# Altium PCB PCB1.PcbDoc (continued)
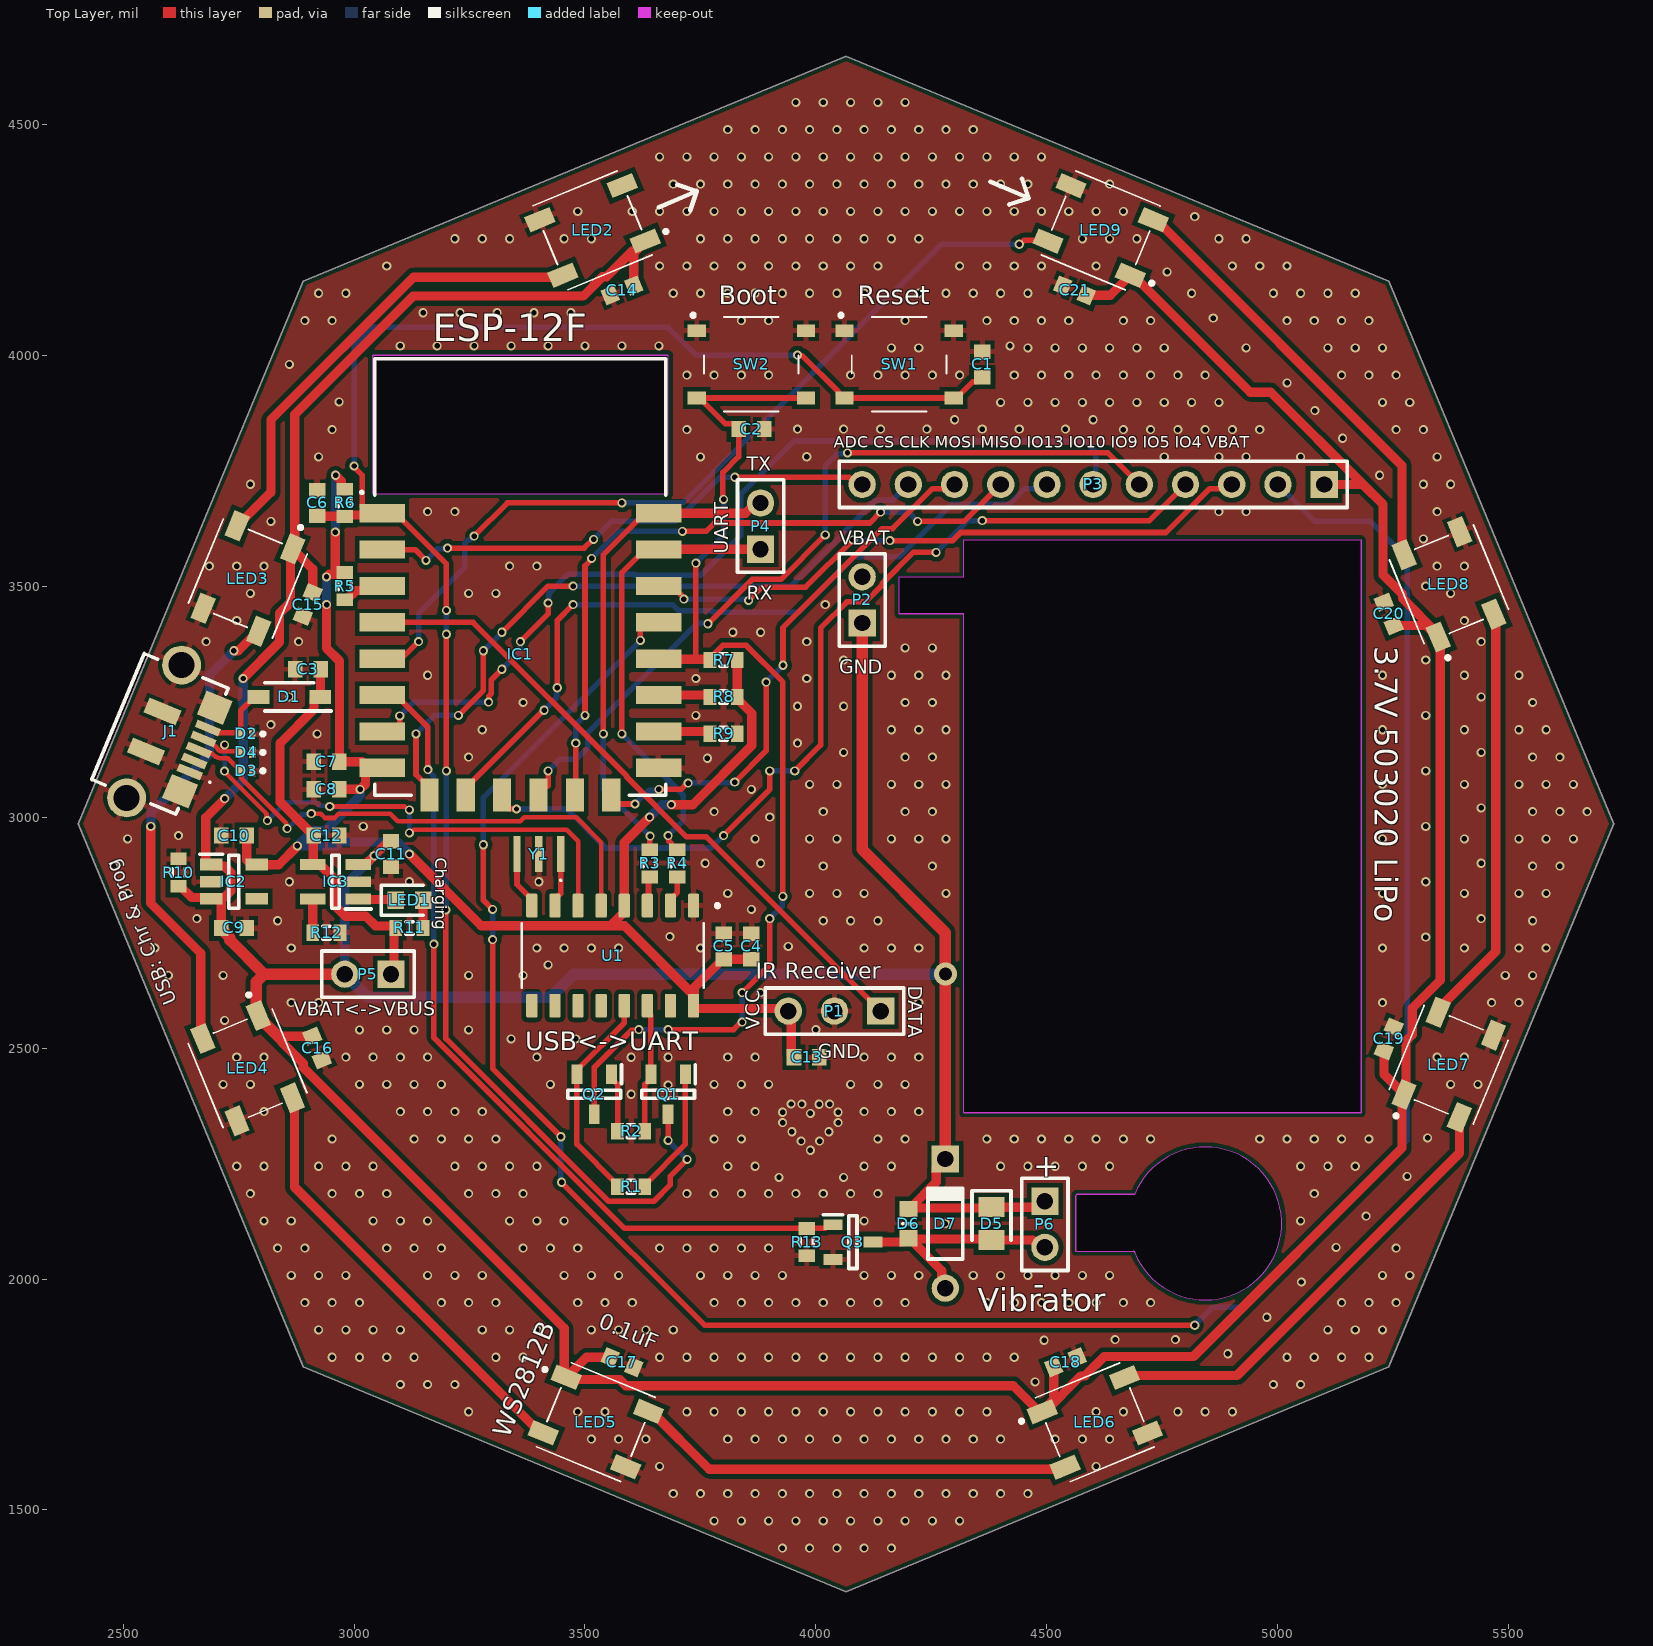
[diagram p0: Top Layer view]
## Nets (pads, with @x,y where several pads share a name; then routed paths per layer and width w, separated by ;. In a path a pad name is that pad's centre, name@x,y a point inside that pad or via, vN(x,y) a via of type N, cw(c..) or ccw(c..) an arc to the next point about the centre after c; other vN are vias at no path point)
3V3: C4.1 C5.1 C7.1 C8.1 C10.1 C13.1 IC1.8 IC2.5 P1.3 R5.1 R6.1 R7.1 R8.1 U1.4 U1.16 | length 3529.6
  Top Layer w20: C10.1 2767.56,2906.85 2777.4,2897.01 IC2.5 2837.01,2897.01 v1(2877.45,2937.45) ; v1(2940.39,3520) 2946.14,3525.75 2961.18,3525.75 ; v1(2940.56,3459.77) 2940.56,3365.74 2968.43,3337.88 2968.43,3120.87 C7.1 3017.87,3120 3031.26,3106.61 IC1.8@3034.71,3106.61 ; v1(2959.59,3617.03) 2959.59,3540.41 2960,3540 2960,3526.93 2961.18,3525.75 ; v1(2960,3740) 2972.28,3727.72 2972.28,3713.31 2976.22,3713.31 R6.1 ; C8.1 v1(3013.31,3060) 3025.02,3071.72 3025.02,3096.93 IC1.8@3034.71,3106.61 ; R5.1 2976.22,3525.75 2961.18,3525.75 ; IC1.8 IC1.8@3034.71,3106.61 ; v1(3120,2920) 3275.39,2764.61 3554.92,2764.61 ; v1(3640,3000) 3585,2945 U1.4 3585,2794.68 3554.92,2764.61 ; v1(3686.93,3026.93) 3733.23,3026.93 3861.18,3154.88 3861.18,3224.41 3829.53,3256.06 R8.1 R7.1 ; U1.16 3735,2588.07 3737.2,2585.87 3934.13,2585.87 P1.3 3946.69,2573.31 3946.69,2485.75 C13.1 ; C4.1 C5.1 3798.03,2692.44 3737.2,2631.61 3737.2,2612.78 3585.37,2764.61 3554.92,2764.61
  Bottom Layer w20: v1(2940.39,3520) 2940.39,3459.94 v1(2940.56,3459.77) ; v1(2959.59,3617.03) 2960,3617.44 v1(2960,3740) ; v1(3013.31,3060) 3013.31,3046.54 2937.03,2970.26 2910.26,2970.26 v1(2877.45,2937.45) 2962.49,2937.45 2971.1,2946.06 3093.94,2946.06 v1(3120,2920) ; v1(3640,3000) 3666.93,3026.93 v1(3686.93,3026.93)
ADC: IC1.2 P3.11 | length 1129.8
  Top Layer w12: IC1.2 3132.51,3579.06 v1(3155.78,3555.78) ; v1(3202.33,3582.33) 3498.3,3582.33 3517.16,3601.19 v1(3518.81,3601.19) ; v1(3824.45,3735.55) 4071.72,3735.55 4087.27,3720 P3.11
  Bottom Layer w12: v1(3155.78,3555.78) 3180.86,3580.86 3200.86,3580.86 v1(3202.33,3582.33) ; v1(3518.81,3601.19) 3557.61,3640 3695.95,3640 3791.49,3735.55 v1(3824.45,3735.55)
CS: IC1.9 P3.10 | length 1485.7
  Top Layer w12: v1(3134.16,3180) 3134.16,3092.13 3149.3,3076.99 3149.46,3076.99 3163.15,3063.31 IC1.9 ; v1(3225.84,3220) 3280,3274.16 v1(3280,3360) ; v1(3320,3400) 3420,3500 v1(3474.16,3500)
  Bottom Layer w12: v1(3134.16,3180) 3174.16,3220 v1(3225.84,3220) ; v1(3280,3360) v1(3320,3400) ; v1(3474.16,3500) 3945.79,3500 4054.16,3608.37 4054.16,3610.7 4129.3,3685.84 4165.84,3685.84 P3.10
DTR: Q2.2 R1.1 U1.13 | length 470.5
  Top Layer w12: R1.1 3570.47,2203.94 3482.6,2291.81 Q2.2 3482.6,2452.17 3585,2554.57 U1.13
EN: IC1.3 R5.2 | length 93.1
  Top Layer w20: R5.2 2983.94,3470.47 3004.09,3490.63 3051.1,3490.63 IC1.3
espRX: IC1.21 P4.1 R4.2 | length 1000
  Top Layer w12: v1(3580,3180) 3580,3529.37 3630.16,3579.53 IC1.21@3659.68,3579.53 ; v1(3680,2960) 3681.47,2958.53 3681.47,2948.06 3688.28,2941.24 3688.28,2937.31 3696.06,2929.53 R4.2
  Top Layer w20: IC1.21@3659.68,3579.53 3879.53,3579.53 P4.1
  Bottom Layer w12: v1(3580,3180) 3712.77,3047.23 3712.77,2992.77 v1(3680,2960)
espTX: IC1.22 P4.2 R3.2 | length 1067.3
  Top Layer w12: v1(3540,3180) 3540,3568.11 3629.69,3657.8 IC1.22 ; R3.2 3640.55,2930.08 3640.55,2958.35 v1(3641.1,2958.9)
  Top Layer w20: IC1.22 3847.23,3657.8 3869.43,3680 P4.2
  Bottom Layer w12: v1(3540,3180) 3540,3060 v1(3641.1,2958.9)
GND: C1.2 C2.2 C3.1 C4.2 C5.2 C6.2 C7.2 C8.2 C9.2 C10.2 C11.2 C12.2 C13.2 C14.1 C15.1 C16.1 C17.1 C18.1 C19.1 C20.1 C21.1 D2.1 D3.1 D4.1 IC1.15 IC2.2 IC3.2 J1.1 J1.MH1 J1.MH2 J1.MP1 J1.MP2 J1.MP3 J1.MP4 LED2.3 LED3.3 LED4.3 LED5.3 LED6.3 LED7.3 LED8.3 LED9.3 P1.2 P2.2 Q3.2 R9.2 R10.1 R12.1 R13.1 SW1.1 SW1.2 SW2.1 SW2.2 U1.1 Y1.2
  other v1: 3927.16,1417.32 3986.22,1417.32 4045.27,1417.32 4104.33,1417.32 4163.38,1417.32 3779.53,1476.38 3838.58,1476.38 3897.64,1476.38 3956.69,1476.38 4015.75,1476.38 4074.8,1476.38 4133.86,1476.38 4192.91,1476.38 4251.97,1476.38 4311.02,1476.38 3690.94,1535.43 3750,1535.43 3809.05,1535.43 3868.11,1535.43 3927.16,1535.43 3986.22,1535.43 4045.27,1535.43 4104.33,1535.43 4163.38,1535.43 4222.44,1535.43 4281.49,1535.43 4340.55,1535.43 4399.6,1535.43 4458.66,1535.43 3661.42,1594.49 4606.3,1594.49 3513.78,1653.54 3572.83,1653.54 3631.89,1653.54 3809.05,1653.54 3868.11,1653.54 3927.16,1653.54 3986.22,1653.54 4045.27,1653.54 4104.33,1653.54 4163.38,1653.54 4222.44,1653.54 4281.49,1653.54 4340.55,1653.54 4399.6,1653.54 4517.72,1653.54 4576.77,1653.54 4635.83,1653.54 3248.03,1712.6 3484.25,1712.6 3543.31,1712.6 3720.47,1712.6 3779.53,1712.6 3838.58,1712.6 3897.64,1712.6 3956.69,1712.6 4015.75,1712.6 4074.8,1712.6 4133.86,1712.6 4192.91,1712.6 4251.97,1712.6 4311.02,1712.6 4370.08,1712.6 4606.3,1712.6 4665.35,1712.6 4783.46,1712.6 4842.52,1712.6 4901.57,1712.6 3100.39,1771.65 3159.45,1771.65 3218.5,1771.65 4990.16,1771.65 5049.21,1771.65 4474.45,1777.31 2952.76,1830.71 3011.81,1830.71 3070.87,1830.71 3129.92,1830.71 3307.09,1830.71 3366.14,1830.71 3661.42,1830.71 3720.47,1830.71 3779.53,1830.71 3838.58,1830.71 3897.64,1830.71 3956.69,1830.71 4015.75,1830.71 4074.8,1830.71 4133.86,1830.71 4192.91,1830.71 4251.97,1830.71 4311.02,1830.71 4370.08,1830.71 4429.13,1830.71 5019.68,1830.71 5078.74,1830.71 5137.79,1830.71 5196.85,1830.71 4891.61,1838.29 4493.85,1867.4 4647.69,1868.78 4777.97,1868.78 2923.23,1889.76 2982.28,1889.76 3041.34,1889.76 3100.39,1889.76 3277.56,1889.76 3336.61,1889.76 3395.67,1889.76 3513.78,1889.76 3572.83,1889.76 3631.89,1889.76 3690.94,1889.76 5108.27,1889.76 5167.32,1889.76 5226.38,1889.76 4976.15,1917.29 2893.7,1948.82 2952.76,1948.82 3011.81,1948.82 3188.98,1948.82 3248.03,1948.82 3307.09,1948.82 3484.25,1948.82 3543.31,1948.82 3602.36,1948.82 3779.53,1948.82 3838.58,1948.82 3897.64,1948.82 3956.69,1948.82 4015.75,1948.82 4074.8,1948.82 4133.86,1948.82 4192.91,1948.82 4370.08,1948.82 4429.13,1948.82 4488.19,1948.82 4547.24,1948.82 4606.3,1948.82 4665.35,1948.82 4724.41,1948.82 5137.79,1948.82 5196.85,1948.82 5255.9,1948.82 5050.99,1993.52 2864.17,2007.87 2923.23,2007.87 2982.28,2007.87 3159.45,2007.87 3218.5,2007.87 3277.56,2007.87 3454.72,2007.87 3513.78,2007.87 3572.83,2007.87 3750,2007.87 3809.05,2007.87 3868.11,2007.87 3927.16,2007.87 4104.33,2007.87 4163.38,2007.87 4222.44,2007.87 4340.55,2007.87 4399.6,2007.87 4458.66,2007.87 4517.72,2007.87 4576.77,2007.87 4635.83,2007.87 5226.38,2007.87 5285.43,2007.87 2834.64,2066.93 2893.7,2066.93 3070.87,2066.93 3129.92,2066.93 3188.98,2066.93 3366.14,2066.93 3425.2,2066.93 3484.25,2066.93 3661.42,2066.93 3720.47,2066.93 3779.53,2066.93 3838.58,2066.93 3897.64,2066.93 5255.9,2066.93 5125.83,2068.36 4280,2120 2805.12,2125.98 2864.17,2125.98 3041.34,2125.98 3100.39,2125.98 3159.45,2125.98 3336.61,2125.98 3395.67,2125.98 3454.72,2125.98 4104.33,2125.98 5049.21,2125.98 5190.97,2136.27 2775.59,2185.04 2952.76,2185.04 3011.81,2185.04 3070.87,2185.04 3248.03,2185.04 3307.09,2185.04 3366.14,2185.04 3720.47,2185.04 3779.53,2185.04 3838.58,2185.04 3897.64,2185.04 3956.69,2185.04 4015.75,2185.04 4074.8,2185.04 4133.86,2185.04 5078.74,2185.04 3920,2220 4060,2220 5279.67,2222.19 2746.06,2244.09 2805.12,2244.09 2923.23,2244.09 2982.28,2244.09 3041.34,2244.09 3218.5,2244.09 3277.56,2244.09 3336.61,2244.09 3395.67,2244.09 3809.05,2244.09 3868.11,2244.09 4104.33,2244.09 4163.38,2244.09 4399.6,2244.09 4458.66,2244.09 4517.72,2244.09 4576.77,2244.09 4635.83,2244.09 5049.21,2244.09 5108.27,2244.09 5167.32,2244.09 3987.86,2278.71 3967.86,2298.71 4007.86,2298.71 2952.76,2303.15 3129.92,2303.15 3188.98,2303.15 3248.03,2303.15 3307.09,2303.15 3779.53,2303.15 3838.58,2303.15 4133.86,2303.15 4192.91,2303.15 4370.08,2303.15 4429.13,2303.15 4488.19,2303.15 4547.24,2303.15 4606.3,2303.15 4665.35,2303.15 4724.41,2303.15 4960.63,2303.15 5019.68,2303.15 5078.74,2303.15 5137.79,2303.15 5196.85,2303.15 5324.02,2305.35 3947.86,2318.71 4027.86,2318.71 3927.86,2338.71 4047.86,2338.71 3987.86,2358.71 3927.63,2360.95 4047.97,2360.95 2805.12,2362.2 3100.39,2362.2 3159.45,2362.2 3218.5,2362.2 3277.56,2362.2 3809.05,2362.2 3868.11,2362.2 4104.33,2362.2 4163.38,2362.2 4222.44,2362.2 4006.83,2378.42 3945.99,2378.87 3969.66,2378.65 4029.61,2378.65 3600,2400 3680,2420 2716.53,2421.26 2775.59,2421.26 3011.81,2421.26 3070.87,2421.26 3129.92,2421.26 3188.98,2421.26 3425.2,2421.26 3779.53,2421.26 3838.58,2421.26 3897.64,2421.26 4074.8,2421.26 4133.86,2421.26 4192.91,2421.26 5374.01,2421.26 5433.07,2421.26 2746.06,2480.31 2805.12,2480.31 2982.28,2480.31 3041.34,2480.31 3100.39,2480.31 3159.45,2480.31 3395.67,2480.31 3600,2480 3680,2480 3809.05,2480.31 3868.11,2480.31 4104.33,2480.31 4163.38,2480.31 4222.44,2480.31 5344.49,2480.31 5403.54,2480.31 3340,2520 3480,2520 3011.81,2539.37 3070.87,2539.37 3129.92,2539.37 3248.03,2539.37 4000,2540 2720,2560 2864.17,2598.42 2923.23,2598.42 4222.44,2598.42 5226.38,2598.42 5462.6,2598.42 5521.65,2598.42 3880,2620 2598.42,2657.48 2716.53,2657.48 3248.03,2657.48 3366.14,2657.48 5492.12,2657.48 5551.18,2657.48 3420,2680 2568.9,2716.53 2864.17,2716.53 3395.67,2716.53 3454.72,2716.53 3513.78,2716.53 3572.83,2716.53 3750,2716.53 4104.33,2716.53 4163.38,2716.53 4222.44,2716.53 5226.38,2716.53 5403.54,2716.53 5521.65,2716.53 5580.71,2716.53 3940,2720 5320,2740 3683.59,2741.23 2834.64,2775.59 4015.75,2775.59 4074.8,2775.59 4133.86,2775.59 5551.18,2775.59 2660,2780 5440,2780 3860,2800 2509.84,2834.64 3809.05,2834.64 3986.22,2834.64 4045.27,2834.64 4104.33,2834.64 4281.49,2834.64 5226.38,2834.64 5403.54,2834.64 5521.65,2834.64 5580.71,2834.64 2860,2860 3120,2860 3400,2860 5320,2860 2480.31,2893.7 4015.75,2893.7 4251.97,2893.7 5551.18,2893.7 5610.23,2893.7 3760,2900 3880,2900 5440,2900 2509.84,2952.76 3868.11,2952.76 3986.22,2952.76 4045.27,2952.76 4163.38,2952.76 4222.44,2952.76 4281.49,2952.76 5226.38,2952.76 5403.54,2952.76 5521.65,2952.76 5580.71,2952.76 5639.76,2952.76 2620,2960 3020,2980 5320,2980 3900,3000 3779.53,3011.81 4015.75,3011.81 4192.91,3011.81 4251.97,3011.81 5551.18,3011.81 5610.23,3011.81 5669.29,3011.81 5440,3020 3860,3060 3986.22,3070.87 4045.27,3070.87 4163.38,3070.87 4222.44,3070.87 4281.49,3070.87 5226.38,3070.87 5403.54,3070.87 5521.65,3070.87 5580.71,3070.87 5639.76,3070.87 5320,3100 3765,3127.26 3248.03,3129.92 4192.91,3129.92 4251.97,3129.92 5551.18,3129.92 5610.23,3129.92 4060,3140 5440,3140 3960,3160 2920,3180 3277.56,3188.98 4163.38,3188.98 4222.44,3188.98 4281.49,3188.98 5226.38,3188.98 5403.54,3188.98 5521.65,3188.98 5580.71,3188.98 2820,3200 3740,3220 5320,3220 3960,3240 4060,3240 3366.14,3248.03 4192.91,3248.03 4251.97,3248.03 5551.18,3248.03 2860,3260 5440,3260 3740,3300 3980,3300 3159.45,3307.09 4163.38,3307.09 4222.44,3307.09 4281.49,3307.09 5226.38,3307.09 5403.54,3307.09 5521.65,3307.09 4060,3340 5320,3340 4192.91,3366.14 4251.97,3366.14 2680,3380 2880,3380 3980,3380 5440,3380 3820,3400 3880,3400 2746.06,3425.2 5403.54,3425.2 4020,3460 2775.59,3484.25 3248.03,3484.25 3307.09,3484.25 5374.01,3484.25 5320,3500 2687.01,3543.31 2746.06,3543.31 2805.12,3543.31 3336.61,3543.31 3395.67,3543.31 5344.49,3543.31 5403.54,3543.31 5314.96,3602.36 2820,3640 3159.45,3661.42 3218.5,3661.42 4872.05,3661.42 4931.1,3661.42 5344.49,3661.42 2775.59,3720.47 5314.96,3720.47 5374.01,3720.47 5220,3740 2923.23,3779.53 3750,3779.53 3980,3780 4753.94,3779.53 4872.05,3779.53 4931.1,3779.53 5049.21,3779.53 5344.49,3779.53 5140,3820 2952.76,3838.58 3720.47,3838.58 4665.35,3838.58 4724.41,3838.58 4783.46,3838.58 4842.52,3838.58 4901.57,3838.58 4960.63,3838.58 5255.9,3838.58 5314.96,3838.58 3960,3840 4060,3840 4140,3840 4240,3840 4360,3840 4440,3840 4540,3840 4300,3860 4600,3860 5080,3880 4399.6,3897.64 4458.66,3897.64 4517.72,3897.64 4576.77,3897.64 4635.83,3897.64 4694.88,3897.64 4753.94,3897.64 4812.99,3897.64 4872.05,3897.64 5226.38,3897.64 5285.43,3897.64 2967.77,3898.9 5020,3940 3720.47,3956.69 3779.53,3956.69 3838.58,3956.69 3897.64,3956.69 4074.8,3956.69 4133.86,3956.69 4192.91,3956.69 4251.97,3956.69 4311.02,3956.69 4429.13,3956.69 4488.19,3956.69 4547.24,3956.69 4606.3,3956.69 4665.35,3956.69 4724.41,3956.69 4783.46,3956.69 4842.52,3956.69 5137.79,3956.69 5196.85,3956.69 5255.9,3956.69 2860,3980 4163.38,4015.75 4222.44,4015.75 4458.66,4015.75 4517.72,4015.75 4576.77,4015.75 4635.83,4015.75 4694.88,4015.75 4753.94,4015.75 4931.1,4015.75 5108.27,4015.75 5167.32,4015.75 5226.38,4015.75 3100,4020 3180,4020 3260,4020 3340,4020 3420,4020 3500,4020 3580,4020 3660,4020 4420,4020 2893.7,4074.8 2952.76,4074.8 3838.58,4074.8 3897.64,4074.8 4192.91,4074.8 4370.08,4074.8 4429.13,4074.8 4488.19,4074.8 4547.24,4074.8 4665.35,4074.8 4724.41,4074.8 5019.68,4074.8 5078.74,4074.8 5137.79,4074.8 5196.85,4074.8 4860,4080 3149.64,4091.76 3229.64,4091.76 3309.64,4091.76 3389.64,4091.76 3469.64,4091.76 2923.23,4133.86 2982.28,4133.86 3690.94,4133.86 3750,4133.86 3809.05,4133.86 3868.11,4133.86 3927.16,4133.86 3986.22,4133.86 4045.27,4133.86 4104.33,4133.86 4222.44,4133.86 4281.49,4133.86 4340.55,4133.86 4399.6,4133.86 4458.66,4133.86 4812.99,4133.86 4990.16,4133.86 5049.21,4133.86 5108.27,4133.86 5167.32,4133.86 4760,4180 3070.87,4192.91 3661.42,4192.91 3720.47,4192.91 3779.53,4192.91 3838.58,4192.91 3897.64,4192.91 3956.69,4192.91 4015.75,4192.91 4074.8,4192.91 4133.86,4192.91 4311.02,4192.91 4370.08,4192.91 4429.13,4192.91 4488.19,4192.91 4606.3,4192.91 4901.57,4192.91 4960.63,4192.91 5019.68,4192.91 3218.5,4251.97 3277.56,4251.97 3336.61,4251.97 3454.72,4251.97 3513.78,4251.97 3750,4251.97 3809.05,4251.97 3868.11,4251.97 3927.16,4251.97 3986.22,4251.97 4045.27,4251.97 4104.33,4251.97 4163.38,4251.97 4222.44,4251.97 4576.77,4251.97 4635.83,4251.97 4694.88,4251.97 4872.05,4251.97 4931.1,4251.97 4820,4300 3484.25,4311.02 3602.36,4311.02 3661.42,4311.02 3720.47,4311.02 3779.53,4311.02 3838.58,4311.02 3897.64,4311.02 3956.69,4311.02 4015.75,4311.02 4074.8,4311.02 4133.86,4311.02 4192.91,4311.02 4251.97,4311.02 4311.02,4311.02 4370.08,4311.02 4429.13,4311.02 4488.19,4311.02 4547.24,4311.02 4606.3,4311.02 4665.35,4311.02 3690.94,4370.08 3750,4370.08 3809.05,4370.08 3868.11,4370.08 3927.16,4370.08 3986.22,4370.08 4045.27,4370.08 4104.33,4370.08 4163.38,4370.08 4222.44,4370.08 4281.49,4370.08 4340.55,4370.08 4399.6,4370.08 4458.66,4370.08 4635.83,4370.08 3661.42,4429.13 3720.47,4429.13 3779.53,4429.13 3838.58,4429.13 3897.64,4429.13 3956.69,4429.13 4015.75,4429.13 4074.8,4429.13 4133.86,4429.13 4192.91,4429.13 4251.97,4429.13 4311.02,4429.13 4370.08,4429.13 4429.13,4429.13 4488.19,4429.13 3809.05,4488.19 3868.11,4488.19 3927.16,4488.19 3986.22,4488.19 4045.27,4488.19 4104.33,4488.19 4163.38,4488.19 4222.44,4488.19 4281.49,4488.19 4340.55,4488.19 3956.69,4547.24 4015.75,4547.24 4074.8,4547.24 4133.86,4547.24 4192.91,4547.24
GPIO0: C2.1 IC1.18 Q2.3 R7.2 SW2.3 SW2.4 | length 2441.5
  Top Layer w12: Q2.3 3520,2458.01 3600.52,2538.53 3615.29,2538.53 v1(3616.76,2540) ; v1(3680,2540) 3821.9,2540 3837.92,2556.02 v1(3840,2556.02) ; 3740,3341.42 v1(3740,3549.68) ; SW2.3 SW2.3@3747.8,3907.17 ; R7.2 3770.47,3343.94 3798.13,3371.59 3849.05,3371.59 3928.27,3292.37 v1(3928.27,2828.27) ; v1(3800,3687.64) 3798.61,3689.03 3798.61,3746.25 3832.44,3780.08 3832.44,3841.97 3822.69,3851.72 3803.24,3851.72 SW2.3@3747.8,3907.17 ; v1(3840,2620) 3840.64,2620 3900,2679.36 v1(3900,2780) ; SW2.4 SW2.3@3747.8,3907.17
  Top Layer w20: IC1.18 3660.63,3341.42 3740,3341.42 3769.06,3341.42 R7.2
  Bottom Layer w12: v1(3616.76,2540) v1(3680,2540) ; v1(3740,3549.68) 3800,3609.68 v1(3800,3687.64) ; v1(3840,2556.02) v1(3840,2620) ; v1(3900,2780) 3926.8,2806.8 3926.8,2826.8 v1(3928.27,2828.27)
GPIO2: IC1.17 R8.2 | length 113.1
  Top Layer w20: IC1.17 3766.69,3264.09 3770.47,3260.31 R8.2
GPIO4: IC1.19 P3.2 | length 5184.7
  Top Layer w12: v1(3280,2940) 3280,2820 v1(3300,2800) ; v1(3300,2734.76) 3300,2455.9 v1(3447.95,2307.95) ; v1(3449.38,2209.38) 3758.77,1900 v1(4820,1900) ; v1(3620,3382.36) 3620,3407.89 3633.69,3421.57 IC1.19
  Bottom Layer w12: v1(3280,2940) 3280,3042.36 v1(3620,3382.36) ; v1(3300,2734.76) v1(3300,2800) ; v1(3447.95,2307.95) 3447.95,2210.82 v1(3449.38,2209.38) ; v1(4820,1900) 4858.53,1938.53 4917.86,1938.53 5280,2300.68 5280,3560 5200,3640 5080,3640 P3.2
GPIO5: IC1.20 P3.3 | length 1360.7
  Top Layer w12: IC1.20 3688.74,3500.32 3712.69,3476.37 3712.69,3473.47 v1(3714.16,3472) ; v1(3854.37,3468.84) 3883.12,3497.59 3977.59,3497.59 v1(4080,3600) ; v1(4160,3598.64) 4296.02,3598.64 4313.37,3616 4757.38,3616 4852.47,3711.09 4891.09,3711.09 P3.3
  Bottom Layer w12: v1(3714.16,3472) 3851.21,3472 v1(3854.37,3468.84) ; v1(4080,3600) 4080.68,3599.32 4159.32,3599.32 v1(4160,3598.64)
GPIO9: IC1.11 P3.4 | length 2035.8
  Top Layer w12: IC1.11 3320.63,3031.81 3334.32,3018.13 3351.01,3018.13 v1(3351.69,3017.45) ; v1(3800,2960) 3900,3060 v1(3900,3100) ; v1(3954.12,3100) 4010.16,3156.04 4010.16,3408.83 4067.05,3465.73 4107.11,3465.73 4143.4,3502.02 4143.4,3506.03 4210.17,3572.8 v1(4260,3572.8) ; v1(4360,3641.84) 4721.84,3641.84 P3.4
  Bottom Layer w12: v1(3351.69,3017.45) 3460.59,3017.45 3544.98,2933.06 3773.06,2933.06 v1(3800,2960) ; v1(3900,3100) v1(3954.12,3100) ; v1(4260,3572.8) 4329.04,3641.84 v1(4360,3641.84)
GPIO10: IC1.12 P3.5 | length 1762.5
  Top Layer w12: IC1.12 3420,3068.19 v1(3420,3100) ; v1(3765.84,3418.42) 3862.01,3514.59 3923.83,3514.59 v1(4020,3610.76) ; v1(4068.27,3788.27) 4631.73,3788.27 P3.5
  Bottom Layer w12: v1(3420,3100) 3445.38,3125.38 3481.93,3125.38 3505.84,3149.3 3505.84,3182.39 3743.45,3420 3760,3420 3760.11,3419.89 3764.37,3419.89 v1(3765.84,3418.42) ; v1(4020,3610.76) 4020,3760 4046.8,3786.8 4066.8,3786.8 v1(4068.27,3788.27)
GPIO12: IC1.6 Q3.1 R13.2 | length 1843.5
  Top Layer w12: IC1.6 3090.31,3264.09 3160,3194.41 v1(3160,3102.83) ; v1(3173.06,2725) 3173.06,2522.26 3585.79,2109.53 R13.2 4019.96,2109.53 4027.83,2117.4 Q3.1
  Bottom Layer w12: v1(3160,3102.83) 3160,3100.76 3173.06,3087.7 v1(3173.06,2725)
GPIO13: IC1.7 P3.6 | length 2014.7
  Top Layer w12: IC1.7 3085.25,3185.35 3098.93,3199.04 v1(3098.93,3218.93) ; v1(3291.19,3248.81) 3291.19,3261.31 3297,3267.12 3297,3297 v1(3320,3320) ; v1(3360,3380) 3420,3440 v1(3420,3463.45)
  Bottom Layer w12: v1(3098.93,3218.93) 3128.81,3248.81 v1(3291.19,3248.81) ; v1(3320,3320) 3360,3360 v1(3360,3380) ; v1(3420,3463.45) 3421.47,3464.92 3421.47,3483.86 3463.45,3525.84 3606.08,3525.84 3608.08,3523.84 3750.7,3523.84 3836.6,3609.74 3836.6,3697.98 3952.74,3814.12 4582.43,3814.12 4605.84,3790.7 4605.84,3725.84 P3.6
GPIO15: IC1.16 R9.1 | length 114.4
  Top Layer w20: IC1.16 3766.69,3185.35 3770.47,3181.57 R9.1
IR_RCV_sig: IC1.4 P1.1 | length 1428.9
  Top Layer w12: IC1.4 3257.57,3421.57 3590.41,3088.74 3590.41,3086.9 3720.13,2957.18 3762.82,2957.18 P1.1
LEDdata: IC1.5 LED9.4 | length 1883.4
  Top Layer w12: IC1.5 3102.83,3342.83 v1(3140,3380) ; v1(3260,3608.17) 3331.83,3680 v1(3580,3680) ; v1(4440,4240) 4442.08,4240 4450.32,4248.24 4500.83,4248.24 LED9.4
  Bottom Layer w12: v1(3140,3380) 3140,3441.04 3240,3541.04 3240,3592.97 3247.03,3600 3249.75,3600 3257.92,3608.17 v1(3260,3608.17) ; v1(3580,3680) 3711.91,3680 4271.91,4240 v1(4440,4240)
MISO: IC1.10 P3.7 | length 1657.1
  Top Layer w12: IC1.10 3241.89,3063.31 3409.88,3231.3 v1(3411.3,3231.3) ; v1(3440,3280) 3440,3425.84 v1(3474.16,3460)
  Bottom Layer w12: v1(3411.3,3231.3) 3438.53,3258.53 3438.53,3278.53 v1(3440,3280) ; v1(3474.16,3460) 3689.61,3460 3703.45,3446.16 3774.65,3446.16 3777.81,3443 3961.62,3443 4082.02,3563.4 4179.95,3563.4 4293.15,3676.6 4417.98,3676.6 4452.47,3711.09 4491.09,3711.09 P3.7
MOSI: IC1.13 P3.8 | length 1496.1
  Top Layer w12: IC1.13 3480,3049.45 v1(3480,3160) ; v1(3500,3220) 3500,3543.76 3514.16,3557.92 v1(3514.16,3560) ; v1(3710.92,3618.43) 3762.19,3618.43 3780.36,3636.6 4116.6,3636.6 v1(4140,3660) ; v1(4220,3640) 4320,3640 P3.8
  Bottom Layer w12: v1(3480,3160) 3480,3200 v1(3500,3220) ; v1(3514.16,3560) 3572.58,3618.43 v1(3710.92,3618.43) ; v1(4140,3660) 4200,3660 v1(4220,3640)
NetD1_2: D1.2 D2.2 J1.5 | length 175.8
  Top Layer w12: J1.5 2702.68,3183.21 2702.87,3183.13 ccw(c2707.45,3194.22) 2707.4,3182.22 2753.52,3182.22 D2.2 2754.41,3230.2 2784.21,3260 D1.2
NetD5_2: D5.2 D6.2 D7.1 P6.2 Q3.3 | length 507.9
  Top Layer w20: Q3.3 D6.2@4189.53,2080 ; D6.2 4201.97,2086.54 D6.2@4203.94,2086.54 ; D7.1 4272.53,1987.71 4272.53,2017.95 D6.2@4203.94,2086.54 ; P6.2 4485.04,2068.5 4468.97,2084.57 D5.2 4378.03,2086.54 D6.2@4203.94,2086.54
NetIC3_1: IC3.1 LED1.1 | length 82.3
  Top Layer w20: IC3.1 3010.51,2821.3 3089.17,2821.3 LED1.1
NetIC3_5: IC3.5 R12.2 | length 72.8
  Top Layer w20: R12.2 2910.63,2750.12 2910.63,2822.44 IC3.5
NetLED1_2: LED1.2 R11.2 | length 60
  Top Layer w20: R11.2 LED1.2
NetLED2_4: LED2.4 LED3.2 | length 1021.7
  Top Layer w20: LED3.2 2820,3703.23 2820,3860 3128.76,4168.76 3447.58,4168.76 LED2.4
NetLED3_4: LED3.4 LED4.2 | length 1031.6
  Top Layer w20: v1(2560,2980) 2560,2813.79 2668.35,2705.44 2668.35,2525.13 LED4.2 ; v1(2740,3360) 2749.62,3360 2792,3402.38 LED3.4
  Bottom Layer w20: v1(2560,2980) 2560,3008.85 2686.88,3135.73 2686.88,3306.88 v1(2740,3360)
NetLED4_4: LED4.4 LED5.2 | length 953.6
  Top Layer w20: LED4.4 2871.24,2387.58 2871.24,2199.14 3403.28,1667.1 LED5.2
NetLED5_4: LED5.4 LED6.2 | length 955.4
  Top Layer w20: LED5.4 3644.01,1713.31 3768.97,1588.35 4534.87,1588.35 LED6.2
NetLED6_4: LED6.4 LED7.2 | length 1003.2
  Top Layer w20: LED6.4 4672.42,1791.24 4911.24,1791.24 5392.9,2272.9 LED7.2
NetLED7_4: LED7.4 LED8.2 | length 915.4
  Top Layer w20: LED7.4 5346.69,2584.01 5471.65,2708.97 5471.65,3434.87 LED8.2
NetLED8_4: LED8.4 LED9.2 | length 953.6
  Top Layer w20: LED9.2 4736.72,4292.9 5268.76,3760.86 5268.76,3572.42 LED8.4
NetQ1_1: Q1.1 R1.2 | length 279.7
  Top Layer w12: R1.2 3629.53,2203.94 3717.4,2291.81 Q1.1
NetQ2_1: Q2.1 R2.2 | length 128.7
  Top Layer w12: Q2.1 3557.4,2434.45 3570.47,2421.38 R2.2
NetR3_1: R3.1 U1.3 | length 64.3
  Top Layer w12: U1.3 3637.5,2810.77 3637.5,2867.97 R3.1
NetR4_1: R4.1 U1.2 | length 68.4
  Top Layer w12: U1.2 3685,2821.85 3700,2836.85 R4.1
NetU1_7: U1.7 Y1.1 | length 116.8
  Top Layer w12: U1.7 3435,2821.85 3447.24,2834.09 Y1.1
NetU1_8: U1.8 Y1.3 | length 125.1
  Top Layer w12: Y1.3 3352.76,2854.09 3385,2821.85 U1.8
RST: C1.1 C6.1 IC1.1 Q1.3 R6.2 SW1.3 SW1.4 | length 4052.2
  Top Layer w12: v1(3000,3760) 3000,3757.92 3017.57,3740.35 3017.57,3671.48 3031.26,3657.8 IC1.1 ; IC1.1@3057.13,3654.13 3093.98,3654.13 3200,3548.11 v1(3200,3447.42) ; v1(3198.9,2798.9) 3198.9,2520.46 3550.95,2168.41 3649.05,2168.41 3684.33,2203.68 3684.33,2222.19 v1(3721.07,2258.93) ; v1(3200,3100) v1(3200,3395.73) ; v1(3680,2300) Q1.3 ; v1(3960,4000) 3961.47,3998.53 3970.53,3998.53 4048.2,3920.85 4048.2,3914.95 4055.98,3907.17 SW1.4 4304.02,3907.17 4339.54,3942.69 4350.25,3942.69 C1.1
  Top Layer w20: C6.1 2920.98,3651.46 2979.02,3651.46 R6.2 2983.66,3654.13 IC1.1@3057.13,3654.13
  Bottom Layer w12: v1(3000,3760) 3000,4020 3040,4060 3680,4060 3740,4000 v1(3960,4000) ; v1(3198.9,2798.9) 3199.45,2799.45 3199.45,3099.45 v1(3200,3100) ; v1(3200,3395.73) v1(3200,3447.42) ; v1(3680,2300) v1(3721.07,2258.93)
RTS: Q1.2 R2.1 U1.14 | length 280.3
  Top Layer w12: R2.1 3629.53,2421.38 3642.6,2434.45 Q1.2 3642.6,2570.55 3635,2578.15 U1.14
SCLK: IC1.14 P3.9 | length 1175.6
  Top Layer w12: IC1.14 3556.85,3041.96 3570.54,3028.27 v1(3608.27,3028.27) ; v1(3660,3060) 3707.45,3060 3720.96,3073.51 v1(3723.04,3073.51) ; v1(3824.25,3075.75) 3892.05,3143.54 v1(3892.05,3292.05) ; v1(3928.6,3328.6) 3928.6,3409.97 4143.11,3624.49 4165.87,3624.49 4252.47,3711.09 4291.09,3711.09 P3.9
  Bottom Layer w12: v1(3608.27,3028.27) 3638.53,3058.53 3658.53,3058.53 v1(3660,3060) ; v1(3723.04,3073.51) 3724.16,3074.63 3823.13,3074.63 v1(3824.25,3075.75) ; v1(3892.05,3292.05) v1(3928.6,3328.6)
USBD+: D3.2 J1.3 U1.5 | length 1156.4
  Top Layer w10: J1.3 2675.94,3144.44 2690.56,3138.38 ccw(c2695.52,3150.26) 2690.99,3138.21 cw(c2687.44,3128.86) 2694.83,3135.6 ccw(c2713.37,3152.36) 2713.29,3127.37 2722.9,3127.37 cw(c2722.9,3117.37) 2729.95,3124.45 2749.62,3104.79 ccw(c2756.64,3111.91) 2752.52,3102.8 2752.52,3093.19 D3.2 2756.3,3098.11 2756.3,3083.7 2853.27,2986.73 2853.27,2976.97 v1(2855.12,2975.12) ; v1(2907.32,3007.32) 2927.95,3007.32 2937.19,2998.08 2957.77,2998.08 2967.02,3007.32 3078.08,3007.32 3094.81,2990.59 3359.96,2990.59 3368.62,2999.25 3480.75,2999.25 3535,2945 U1.5
  Bottom Layer w10: v1(2855.12,2975.12) 2885.47,3005.47 2905.47,3005.47 v1(2907.32,3007.32)
USBD-: D4.2 J1.4 U1.6 | length 1205.7
  Top Layer w10: J1.4 2693.91,3159.44 cw(c2673.82,3142.65) 2695.57,3157.23 ccw(c2703.83,3162.86) 2698.84,3154.19 cw(c2692.51,3142.99) 2704.27,3148.22 ccw(c2713.37,3152.36) 2713.33,3142.36 2720,3142.36 ; v1(2719.64,3099.64) 2719.64,3097.86 2810.58,3006.92 2810.58,2994.29 v1(2812.43,2992.43) ; v1(2720,3156.38) 2720,3142.36 ; D4.2 2752.52,3142.36 2720,3142.36 ; v1(2947.48,3022.92) 3109.89,3022.92 3117.38,3015.43 v1(3120,3015.43) ; v1(3120,2965.75) 3122.62,2965.75 3129.12,2972.24 3460.45,2972.24 3485,2947.69 U1.6
  Bottom Layer w10: v1(2719.64,3099.64) 2719.82,3099.82 2719.82,3156.19 v1(2720,3156.38) ; v1(2812.43,2992.43) 2852.16,3032.16 2917.61,3032.16 2925.01,3024.77 2945.63,3024.77 v1(2947.48,3022.92) ; v1(3120,2965.75) v1(3120,3015.43)
VBAT: C9.1 C11.1 C14.2 C15.2 C16.2 C17.2 C18.2 C19.2 C20.2 C21.2 D5.1 D6.1 D7.2 IC2.1 IC2.3 IC3.3 LED2.1 LED3.1 LED4.1 LED5.1 LED6.1 LED7.1 LED8.1 LED9.1 P2.1 P3.1 P5.2 P6.1 R10.2 | length 12392.2
  Top Layer w20: R10.2 2623.94,2850.47 2648.62,2825.79 IC2.3@2699.8,2825.79 ; C9.1 2712.44,2813.15 IC2.3@2699.8,2825.79 ; v1(2720,3040) 2678.82,2998.82 2678.82,2899.8 2681.61,2897.01 IC2.1 2693.58,2894.21 2719.25,2894.21 2733.27,2880.2 2733.27,2839.8 2719.25,2825.79 IC2.3@2699.8,2825.79 ; v1(2760,3300) 2838.85,3378.85 2838.85,3440.89 2862.62,3464.65 2862.62,3575.68 2867.14,3580.2 2910.55,3536.79 C15.2 ; LED4.1 LED4.1@2793.75,2570.33 ; LED3.1 2871.66,3585.13 2871.66,3871.66 3127.74,4127.74 3495.87,4127.74 3537.86,4169.72 3546.56,4169.72 3601.61,4224.77 ; C16.2 2838.62,2525.46 LED4.1@2793.75,2570.33 ; IC3.3 3024.96,2897.4 v1(3043.78,2916.22) 3069.37,2941.81 3074.25,2941.81 C11.1 ; C17.2 3503.21,1830.55 3459.8,1787.14 LED5.1 ; C14.2 3605.46,4220.92 3630.33,4245.79 LED2.1 ; D6.1 4201.97,2153.46 D6.1@4203.94,2153.46 ; D7.2 4260.47,2240.24 4260.47,2210 D6.1@4203.94,2153.46 ; P6.1 4482.54,2155.43 D5.1 4378.03,2153.46 D6.1@4203.94,2153.46 ; C18.2 4514.54,1739.08 4489.67,1714.21 LED6.1 ; C21.2 4636.79,4129.45 4680.2,4172.86 LED9.1 4687,4172.86 4940.12,3919.75 4984.59,3919.75 5184.33,3720 ; P3.1 5184.33,3720 ; C19.2 5229.45,2443.21 5272.86,2399.8 LED7.1 ; C20.2 5320.92,3414.54 5345.79,3389.67 LED8.1 ; LED4.1@2793.75,2570.33 2793.75,2563.08 2890.28,2466.56 2890.28,2457.86 3454.87,1893.27 3454.87,1791.65 LED5.1 ; LED5.1 3463.91,1782.62 3575.35,1782.62 3588.78,1769.19 4426.99,1769.19 4483.28,1712.9 LED6.1 ; LED6.1 4496.06,1712.9 4573.44,1790.28 4582.14,1790.28 4624.13,1832.26 4817.24,1832.26 5268.35,2283.36 5268.35,2394.87 LED7.1 ; 5184.33,3720 5227.74,3676.6 5227.74,3524.13 5269.72,3482.14 5269.72,3473.44 5347.1,3396.06 LED8.1 ; LED7.1 5277.38,2403.91 5277.38,2515.35 5290.81,2528.78 5290.81,2586.15 5351.62,2646.96 5351.62,3385.15 LED8.1
  Top Layer w25: C9.1 2712.44,2758.03 2731.44,2739.04 2731.44,2733.84 2805.28,2660 ; LED4.1 2788.38,2574.85 2788.38,2643.1 2805.28,2660 ; P5.2 2805.28,2660 ; P2.1 4100,2929.88 4280,2749.88 v2(4280,2660) D7.2
  Bottom Layer w20: v1(2720,3040) 2760,3080 v1(2760,3300) ; P5.2 2980,2852.44 v1(3043.78,2916.22)
  Bottom Layer w25: P5.2 3029.9,2610.1 3425.13,2610.1 3475.04,2660 v2(4280,2660)
VBUS: C3.2 C12.1 D1.1 IC3.4 P5.1 R11.1 | length 870.3
  Top Layer w20: C3.2 2927.24,3319.69 2927.24,3260.32 D1.1 2918.07,3260 2913.31,3255.24 2913.31,3233.31 2840,3160 2840,3032.44 2904.72,2967.72 2906.69,2967.72 2912.44,2961.97 C12.1 2911.61,2959.17 2911.61,2898.23 IC3.4 2926.54,2897.4 2956.63,2867.31 2956.63,2810.53 2981.61,2785.55 3025.23,2785.55 3046.69,2764.09 3086.69,2764.09 3090.47,2760.31 R11.1 3086.69,2756.22 3086.69,2666.69 P5.1
pads on no net: IC2.4 J1.2 LED2.2 U1.9 U1.10 U1.11 U1.12 U1.15

## Polygon pours and split planes (outlines as drawn)
GND on Top Layer "Top_ground_plane" (solid, pour order 0): 5240.17,1809.83 5726.94,2985 5240.17,4160.17 4065,4646.94 2889.83,4160.17 2403.06,2985 2889.83,1809.83 4065,1323.06
GND on Bottom Layer "Bottom_ground_plane" (solid, pour order 1): 5240.17,1809.83 5726.94,2985 5240.17,4160.17 4065,4646.94 2889.83,4160.17 2403.06,2985 2889.83,1809.83 4065,1323.06

## Keep-outs
Keep-Out Layer:
  lines w0.03: 2403.06,2985 2889.83,1809.83 4065,1323.06 5240.17,1809.83 5726.94,2985 5240.17,4160.17 4065,4646.94 2889.83,4160.17 2403.06,2985 ; 3040,3700 3040,4000 3680,4000 3680,3700 3040,3700 ; 4180,3440 4320,3440 4320,2360 5180,2360 5180,3600 4320,3600 4320,3520 4180,3520 4180,3440 ; 4562.8,2060.28 4562.8,2180.28 cw(c4566.08,2180.28) 4566.08,2183.56 4690.03,2183.56 cw(c4842.8,2120.28) 4690.03,2057 ccw(c4686.75,2057) 4686.75,2060.28 4562.8,2060.28

## Silkscreen, mask and mechanical layers (free items; w line width, h text height)
Top Overlay:
  lines w10: 3660,4320 3742.07,4355.17 ; 3700.07,4369.17 3742.07,4355.17 ; 3728.07,4313.17 3742.07,4355.17 ; 4377.93,4375.17 4460,4340 ; 4418,4326 4460,4340 ; 4446,4382 4460,4340
  text "Boot" at 3790,4110 h40
  text "Reset" at 4090,4110 h40
  text "ESP-12F" at 3170,4030 h60
  text "ADC CS CLK MOSI MISO IO13 IO10 IO9 IO5 IO4 VBAT" at 4038.72,3799.72 h25
  text "TX" at 3850,3750 h30
  text "VBAT" at 4050,3590 h30
  text "UART" at 3810,3570 h30 r90
  text "RX" at 3850,3470 h30
  text "3.7V 503020 LiPo" at 5210,3370 h50 r270
  text "GND" at 4050,3310 h30
  text "Charging" at 3176.33,2912 h25 r270
  text "IR Receiver" at 3870,2650 h35
  text "DATA" at 4199.86,2634.44 h30 r270
  text "USB: Chr & Prog" at 2617.7,2601.59 h30 r112.5
  text "VBAT<->VBUS" at 2870,2570 h30
  text "VCC" at 3878.1,2539.1 h30 r90
  text "USB<->UART" at 3370.18,2494.93 h40
  text "GND" at 4003.99,2477.42 h30
  text "+" at 4470,2221.67 h50
  text "-" at 4470,1965.01 h50
  text "Vibrator" at 4350,1930 h50
  text "0.1uF" at 3526.84,1895.18 h35 r337.5
  text "WS2812B" at 3334.59,1653.07 h40 r67.5
Bottom Overlay:
  drawing of 883 lines, arcs and shapes, not listed
  text "le gro trou 2 lantaine" at 4181.83,4417.73 h40 r22.5
  text "norme" at 4895.28,3910.43 h47.24
  text "Made in Montpellier with" at 4990,2303.33 h40
  text "LaserGame_shield_rev1.2_05-22-23" at 5190,1877.87 h47.24
  text "Romain Boutet" at 5190,1810 h47.24
Top Solder:
  drawing of 16 lines, arcs and shapes, not listed